# KiCad board SwanGanzInterface_V1.1.kicad_pcb
note: Ashton Knecht, Nathan DeLaRosa, Jack Son, Jerry Xia; note: Dr. Valvano
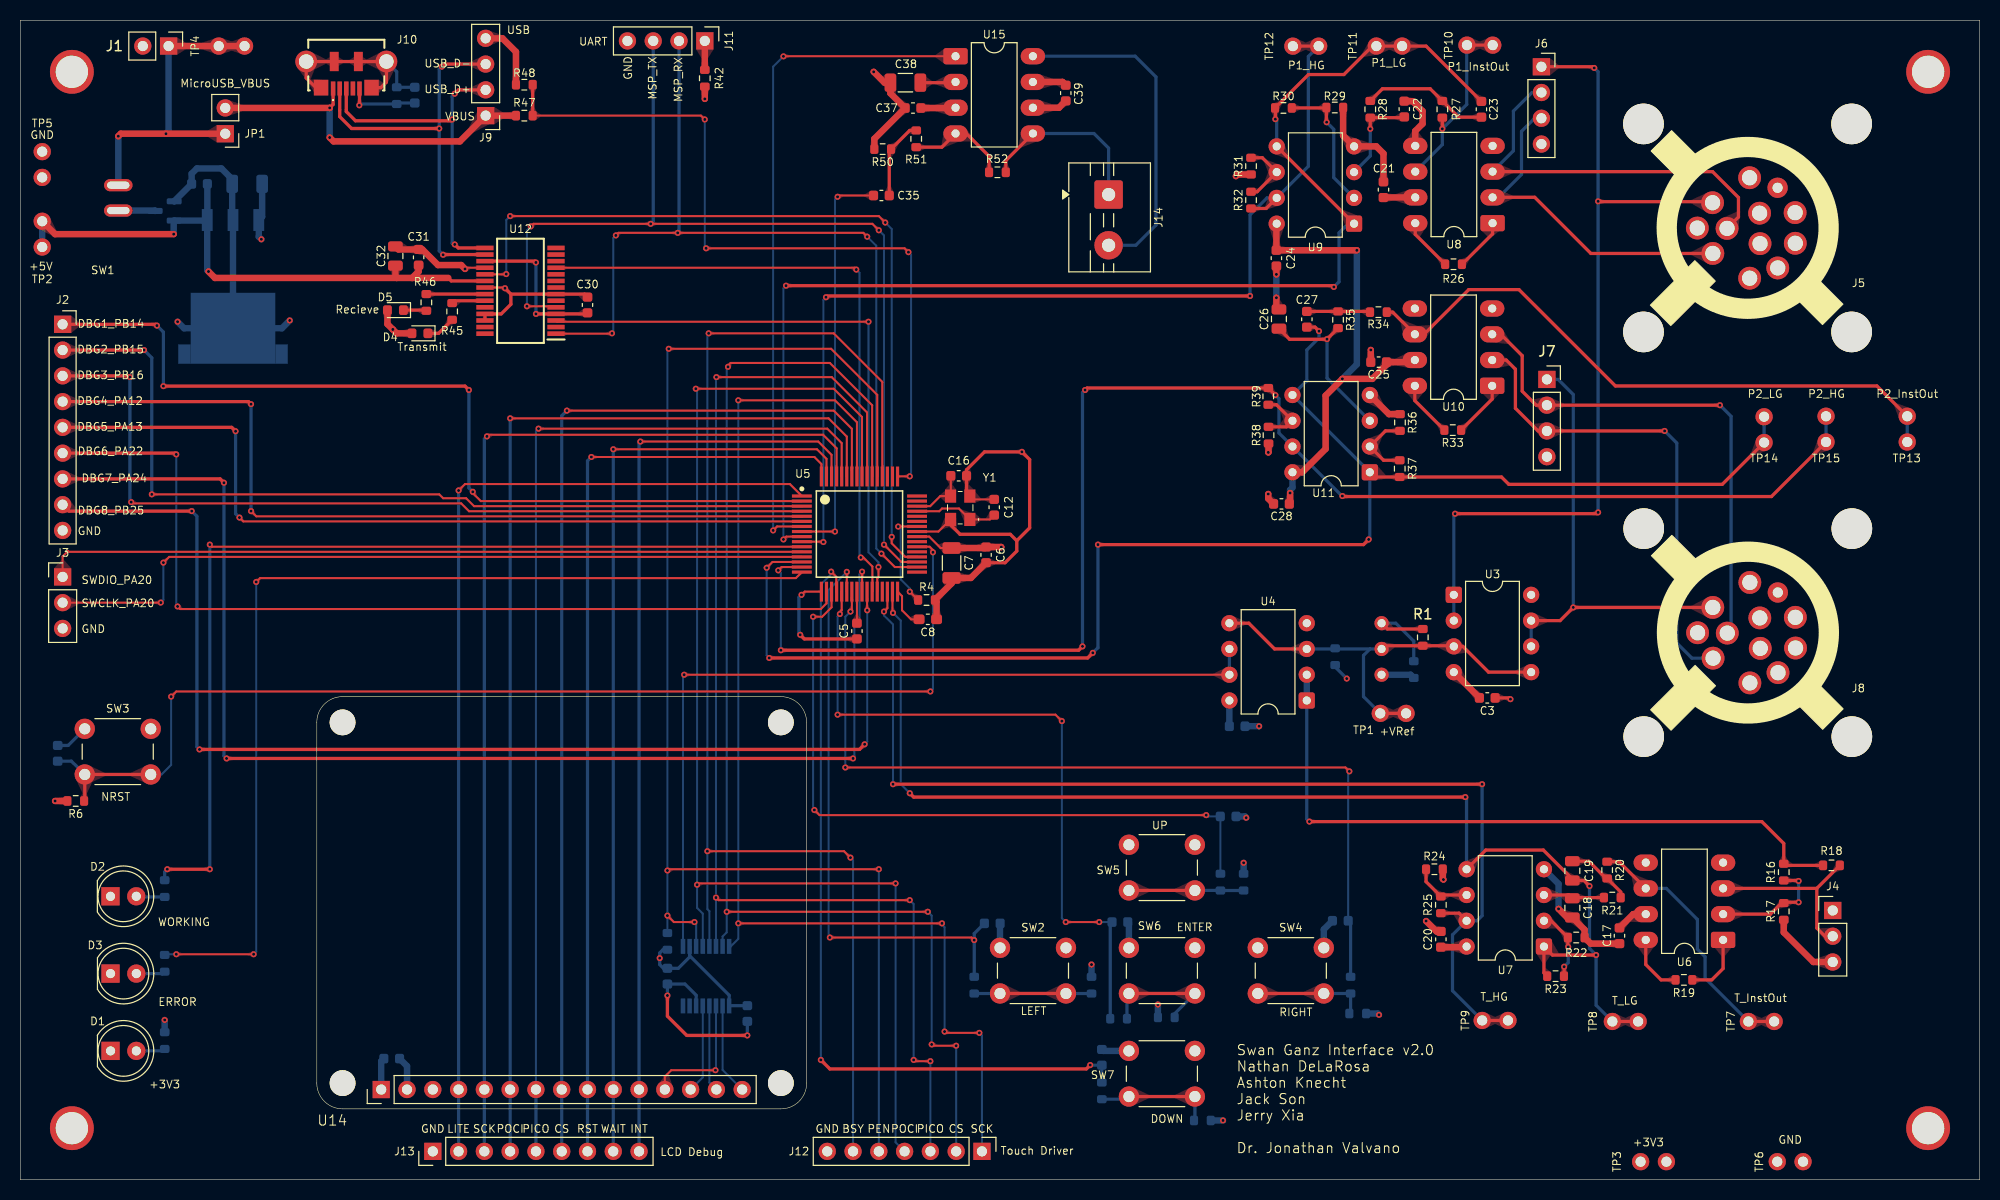
[diagram p0: board, top side]
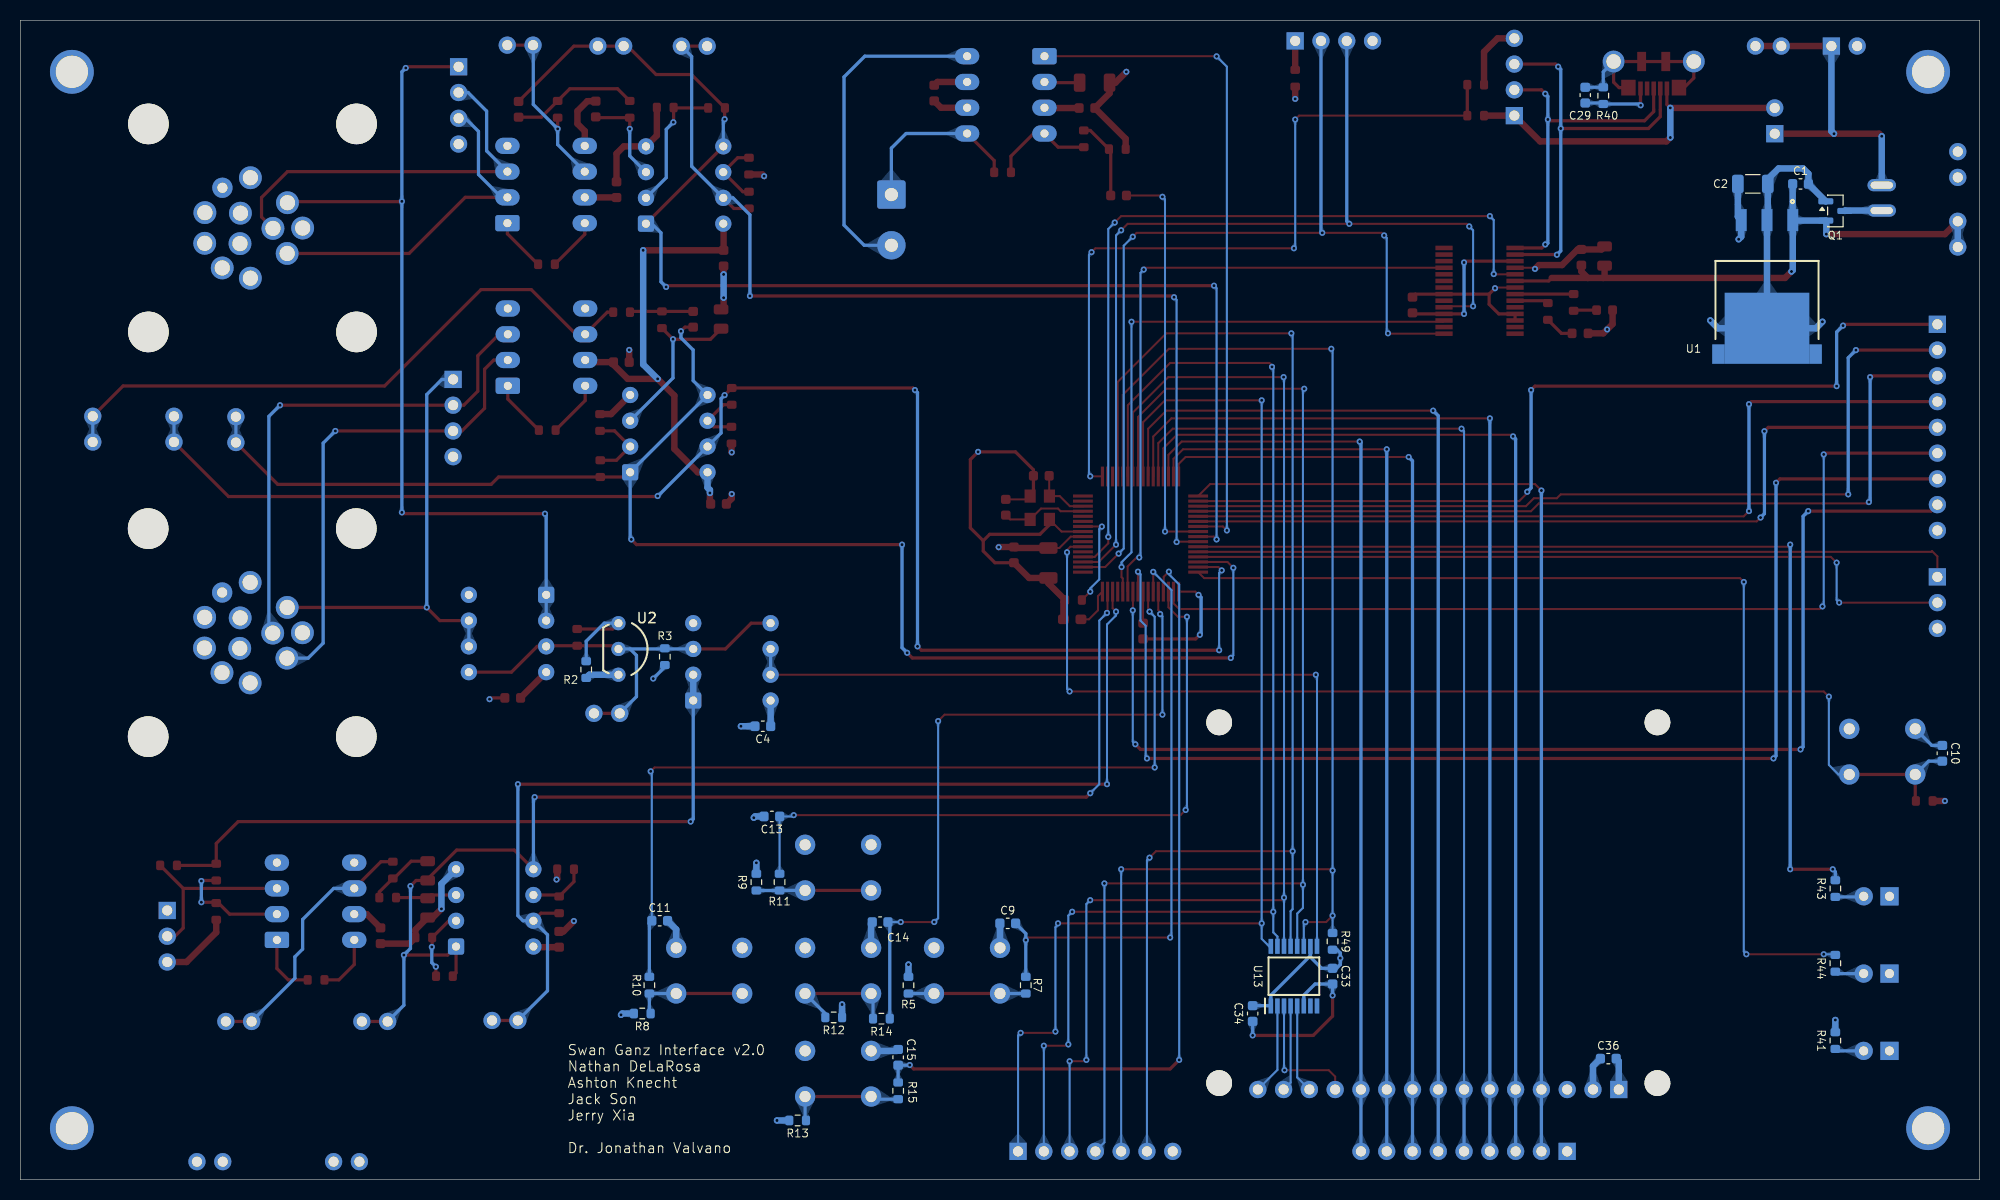
[diagram p1: board, bottom side, seen from below]

Outline 193.04 x 114.3 mm; copper layers: Top, In1.Cu, In2.Cu, Bottom. Coordinates in mm from the lower left corner of the outline.
Outline path: rectangle 0,114.3 193.04,0
Stack: Top 0.035mm / dielectric 0.1mm FR4 er 4.5 / In1.Cu 0.035mm / dielectric 1.24mm FR4 er 4.5 / In2.Cu 0.035mm / dielectric 0.1mm FR4 er 4.5 / Bottom 0.035mm

## Placement (name value [footprint] x y rotation side)
C1  0.1u  [C_0603_1608Metric]  17.65 98.17 180 bottom
C2  10u  [C_1206_3216Metric]  22.35 98.17 180 bottom
C3  0.1u  [C_0603_1608Metric]  144.53 47.5 180 top
C4  0.1u  [C_0603_1608Metric]  119.89 44.7 0 bottom
C5  1u  [C_0603_1608Metric]  82.42 54.09 90 top
C6  1u  [C_0603_1608Metric]  95.15 61.6 270 top
C7  10u  [C_1206_3216Metric]  91.75 60.8 270 top
C8  0.47u  [C_0603_1608Metric_Pad1.08x0.95mm_HandSolder]  89.41 55.24 0 top
C9  0.1u  [C_0603_1608Metric]  95.76 25.27 0 bottom
C10  0.01u  [C_0603_1608Metric]  3.68 42.04 90 bottom
C11  0.1u  [C_0603_1608Metric]  130.05 25.53 180 bottom
C12  30p  [C_0603_1608Metric]  95.95 66.29 270 top
C13  0.1u  [C_0603_1608Metric]  119 35.81 0 bottom
C14  0.1u  [C_0603_1608Metric]  108.33 25.4 0 bottom
C15  0.1u  [C_0603_1608Metric]  106.55 12.06 90 bottom
C16  30p  [C_0603_1608Metric]  92.45 69.39 180 top
C17  0.1u  [C_0603_1608Metric]  157.55 24.05 90 top
C18  0.022u  [C_0805_2012Metric]  152.91 26.8 270 top
C19  0.022u  [C_0805_2012Metric]  152.91 30.45 270 top
C20  0.1u  [C_0603_1608Metric]  139.95 23.7 90 top
C21  0.1u  [C_0603_1608Metric]  134.3 97.6 270 top
C22  0.022u  [C_0603_1608Metric]  136.35 105.55 90 top
C23  0.022u  [C_0603_1608Metric]  143.95 105.52 90 top
C24  0.1u  [C_0603_1608Metric]  123.75 90.85 270 top
C25  0.1u  [C_0603_1608Metric]  133.82 80.6 0 top
C26  0.022u  [C_0805_2012Metric]  124 84.85 90 top
C27  0.022u  [C_0603_1608Metric]  126.75 84.82 270 top
C28  0.1u  [C_0603_1608Metric]  124.25 66.62 180 top
C29  3.3n  [C_0603_1608Metric]  38.86 106.92 270 bottom
C30  0.1u  [C_0603_1608Metric]  55.88 86.23 90 top
C31  0.1u  [C_0603_1608Metric]  39.24 90.93 270 top
C32  4.7u  [C_0805_2012Metric]  36.96 91.06 270 top
C33  0.1u  [C_0603_1608Metric]  63.75 20.07 270 bottom
C34  1u  [C_0603_1608Metric]  71.63 16.38 270 bottom
C35  0.1u  [C_0603_1608Metric]  84.84 97.03 0 top
C36  0.1u  [C_0603_1608Metric]  36.59 11.94 0 bottom
C37  1u  [C_0603_1608Metric]  87.95 105.65 0 top
C38  5u  [C_1206_3216Metric]  87.2 108.15 0 top
C39  0.1u  [C_0603_1608Metric]  103 107.12 90 top
D1  +3V3  [LED_D5.0mm]  8.89 12.7 0 top
D2  WORKING  [LED_D5.0mm]  8.88 27.94 0 top
D3  ERROR  [LED_D5.0mm]  8.89 20.32 0 top
D4  APHD1608LCGCK  [D_0603_1608Metric]  39.37 83.44 180 top
D5  APHD1608LSYCK  [D_0603_1608Metric]  36.96 85.72 180 top
H1  ~  [MountingHole_4_40]  5.08 109.22 0 top
H2  ~  [MountingHole_4_40]  187.96 109.22 0 top
H3  ~  [MountingHole_4_40]  5.08 5.08 0 top
H4  ~  [MountingHole_4_40]  187.96 5.08 0 top
J1  Conn_01x02_Pin  [PinHeader_1x02_P2.54mm_Vertical#2]  14.61 111.76 270 top
J2  Conn_01x09_Pin  [PinSocket_1x09_P2.54mm_Vertical]  4.17 84.33 0 top
J3  Conn_01x03_Pin  [PinHeader_1x03_P2.54mm_Vertical]  4.17 59.43 0 top
J4  Conn_01x03_Pin  [PinHeader_1x03_P2.54mm_Vertical]  178.56 26.54 0 top
J5  ~  [Pressure_Connector_1.1]  170.17 93.83 180 top
J6  Conn_01x04_Pin  [PinSocket_1x04_P2.54mm_Vertical]  149.86 109.72 0 top
J7  Conn_01x04_Pin  [PinSocket_1x04_P2.54mm_Vertical]  150.4 78.89 0 top
J8  ~  [Pressure_Connector_1.1]  170.19 53.93 180 top
J9  Conn_01x04_Pin  [PinHeader_1x04_P2.54mm_Vertical]  45.85 104.9 180 top
J10  -  [1051640001]  32.12 109.64 0 top
J11  Conn_01x04_Pin  [PinHeader_1x04_P2.54mm_Vertical]  67.44 112.27 270 top
J12  Conn_01x07_Pin  [PinHeader_1x07_P2.54mm_Vertical]  94.74 2.79 270 top
J13  Conn_01x09_Pin  [PinHeader_1x09_P2.54mm_Vertical]  40.64 2.79 90 top
J14  SPKM.28.8.A  [TerminalBlock_MaiXu_MX126-5.0-02P_1x02_P5.00mm]  107.22 97.12 270 top
JP1  MicroUSB_VBUS  [PinHeader_1x02_P2.54mm_Vertical]  20.19 103.12 180 top
Q1  SQ2389CES-T1_GE3  [SOT-23]  14.22 95.5 180 bottom
R1  47k  [R_0603_1608Metric]  138.18 53.47 90 top
R2  10k  [R_0603_1608Metric]  137.29 50.29 270 bottom
R3  1k  [R_0603_1608Metric]  129.54 51.56 90 bottom
R4  100k  [R_0603_1608Metric]  89.28 57.15 180 top
R5  100k  [R_0603_1608Metric]  105.54 19.18 270 bottom
R6  47k  [R_0603_1608Metric]  5.46 37.34 0 top
R7  100R  [R_0603_1608Metric]  93.98 19.18 90 bottom
R8  100k  [R_0603_1608Metric]  131.76 16.38 180 bottom
R9  100k  [R_0603_1608Metric]  120.52 29.34 270 bottom
R10  100R  [R_0603_1608Metric]  131.06 19.18 90 bottom
R11  100R  [R_0603_1608Metric]  118.24 29.34 90 bottom
R12  100k  [R_0603_1608Metric]  112.9 16 0 bottom
R13  100k  [R_0603_1608Metric]  116.46 5.84 180 bottom
R14  100R  [R_0603_1608Metric]  108.2 15.87 180 bottom
R15  100R  [R_0603_1608Metric]  106.55 8.76 90 bottom
R16  100k  [R_0603_1608Metric]  173.74 30.32 270 top
R17  27k  [R_0603_1608Metric]  173.74 26.45 270 top
R18  100k  [R_0603_1608Metric]  178.44 30.99 0 top
R19  27k  [R_0603_1608Metric]  163.9 19.7 180 top
R20  100k  [R_0603_1608Metric]  156.34 30.52 270 top
R21  100k  [R_0603_1608Metric]  156.84 27.81 180 top
R22  10k  [R_0603_1608Metric]  153.29 23.88 180 top  (not fitted)
R23  10k  [R_0603_1608Metric]  151.26 20.07 180 top
R24  10k  [R_0603_1608Metric]  139.32 30.61 180 top
R25  8.2k  [R_0603_1608Metric]  139.95 27.1 270 top
R26  200R  [R_0603_1608Metric]  141.2 90.25 180 top
R27  100k  [R_0603_1608Metric]  140.1 105.52 90 top
R28  100k  [R_0603_1608Metric]  133 105.52 270 top
R29  10k  [R_0603_1608Metric]  129.5 105.7 180 top
R30  10k  [R_0603_1608Metric]  124.44 105.66 180 top
R31  10k  [R_0603_1608Metric]  121.25 99.92 90 top
R32  17k5  [R_0603_1608Metric]  121.25 96.57 270 top
R33  200R  [R_0603_1608Metric]  141.12 73.9 180 top
R34  100k  [R_0603_1608Metric]  133.8 85.52 180 top
R35  100k  [R_0603_1608Metric]  129.82 84.77 270 top
R36  10k  [R_0603_1608Metric]  135.92 74.65 270 top
R37  10k  [R_0603_1608Metric]  135.9 70.1 270 top
R38  10k  [R_0603_1608Metric]  122.97 73.4 90 top
R39  17k5  [R_0603_1608Metric]  122.95 77.22 90 top
R40  1M  [R_0603_1608Metric]  37.08 106.87 270 bottom
R41  2k  [R_0603_1608Metric]  14.22 13.72 270 bottom
R42  0  [R_0603_1608Metric]  67.44 108.58 270 top
R43  2k  [R_0603_1608Metric]  14.22 28.7 270 bottom
R44  2k  [R_0603_1608Metric]  14.22 21.34 270 bottom
R45  750R  [R_0603_1608Metric]  42.54 85.6 270 top
R46  750R  [R_0603_1608Metric]  40.01 86.49 270 top
R47  10k  [R_0603_1608Metric]  49.66 104.9 0 top
R48  19.1k  [R_0603_1608Metric]  49.66 107.95 0 top
R49  100k  [R_0603_1608Metric]  63.75 23.49 270 bottom
R50  10k  [R_0603_1608Metric]  84.96 101.6 180 top  (not fitted)
R51  16.6k  [R_0603_1608Metric]  88.27 102.62 270 top
R52  10k  [R_0603_1608Metric]  96.27 99.31 0 top
SW1  Power_Switch  [SW-T3-1A-A-A3-S1]  9.65 95.54 270 top
SW2  LEFT  [SW_PUSH_6mm]  96.52 22.86 0 top
SW3  NRST  [SW_PUSH_6mm]  6.35 44.45 0 top
SW4  RIGHT  [SW_PUSH_6mm]  121.92 22.86 0 top
SW5  UP  [SW_PUSH_6mm]  109.22 33.02 0 top
SW6  ENTER  [SW_PUSH_6mm]  109.22 22.86 0 top
SW7  DOWN  [SW_PUSH_6mm]  109.22 12.7 0 top
TP1  +VRef  [Testpoint_1x02_P2.54mm]  133.98 45.97 90 top
TP2  +5V  [Testpoint_1x02_P2.54mm]  2.16 91.95 180 top
TP3  +3V3  [Testpoint_1x02_P2.54mm]  159.63 1.78 90 top
TP4  +VBUS  [Testpoint_1x02_P2.54mm]  19.55 111.76 90 top
TP5  GND  [Testpoint_1x02_P2.54mm]  2.16 101.35 0 top
TP6  GND  [Testpoint_1x02_P2.54mm]  173.1 1.78 90 top
TP7  T_InstOut  [Testpoint_1x02_P2.54mm]  170.25 15.6 90 top
TP8  T_LG  [Testpoint_1x02_P2.54mm]  156.85 15.6 90 top
TP9  T_HG  [Testpoint_1x02_P2.54mm]  144.03 15.7 90 top
TP10  P1_InstOut  [Testpoint_1x02_P2.54mm]  142.53 111.85 90 top
TP11  P1_LG  [Testpoint_1x02_P2.54mm]  133.6 111.76 90 top
TP12  P1_HG  [Testpoint_1x02_P2.54mm]  125.38 111.75 90 top
TP13  P2_InstOut  [Testpoint_1x02_P2.54mm]  185.9 72.72 180 top
TP14  P2_LG  [Testpoint_1x02_P2.54mm]  171.8 72.67 180 top
TP15  P2_HG  [Testpoint_1x02_P2.54mm]  177.9 72.72 180 top
U1  -  [LM2937ESX-3.3_NOPB]  20.95 81.94 90 bottom
U2  LM4041CILPR  [ti_LM4041CILPR]  134.11 52.32 270 bottom
U3  OPA2350  [DIP-8_W7.62mm]  141.23 57.66 0 top
U4  OPA2350  [DIP-8_W7.62mm]  126.74 47.24 180 top
U5  XM0G3507QPMRQ1  [PM0064A-IPC_A]  82.68 63.65 0 top
U6  INA122P  [DIP-8_W7.62mm_LongPads]  167.76 23.64 180 top
U7  OPA2350  [DIP-8_W7.62mm]  150.11 22.99 180 top
U8  INA122P  [DIP-8_W7.62mm_LongPads]  145.05 94.3 180 top
U9  OPA2350  [DIP-8_W7.62mm]  131.4 94.25 180 top
U10  INA122P  [DIP-8_W7.62mm_LongPads]  145.01 78.26 180 top
U11  OPA2350  [DIP-8_W7.62mm]  132.95 69.74 180 top
U12  FT232RNL  [FT232RL]  49.28 87.63 180 top
U13  TSC2046IPWR  [SOP65P640X120-16N]  67.56 20.07 90 bottom
U14  -  [AdaFruit_1590]  35.56 8.89 90 top
U15  MCP34119P  [DIP-8_W7.62mm_LongPads]  92.14 110.76 0 top
Y1  ABM8AIG-40.000MHZ-12-2Z-T3  [ABM8AIG25000MHZ122ZT3]  92.6 66.24 90 top

## Library data of the parts
C1-C39 = -: Description: Unpolarized capacitor; ki_fp_filters: C_*
D1-D3 = -: Datasheet: https://users.ece.utexas.edu/~valvano/mspm0/HLMP-4700.pdf; Description: Light emitting diode; ki_fp_filters: LED* LED_SMD:* LED_THT:*
D4 = -: Datasheet: kicad-embed://APHD1608LCGCK.pdf; Description: Light emitting diode; Color: Green; Forward Voltage: 1.9V; Forward Current: 2ma; ki_fp_filters: LED* LED_SMD:* LED_THT:*
D5 = -: Datasheet: kicad-embed://APHD1608LSYCK.pdf; Description: Light emitting diode; Color: Yellow; Forward Voltage: 1.85V; Forward Current: 2ma; ki_fp_filters: LED* LED_SMD:* LED_THT:*
H1-H4 = -: Description: Drill hole for 4-40 screw
J1 = -: Description: Generic connector, single row, 01x02, script generated; ki_fp_filters: Connector*:*_1x??_*
J2 J13 = -: Description: Generic connector, single row, 01x09, script generated; ki_fp_filters: Connector*:*_1x??_*
J3 J4 = -: Description: Generic connector, single row, 01x03, script generated; ki_fp_filters: Connector*:*_1x??_*
J6 J7 J9 J11 = -: Description: Generic connector, single row, 01x04, script generated; ki_fp_filters: Connector*:*_1x??_*
J10 = -: Datasheet: https://www.molex.com/en-us/products/part-detail-pdf/1051640001?display=pdf; Description: Micro-USB B Receptacle without Flange, Top Mount, Surface Mount, Lead-Free; Height: 2.7; Manufacturer_Name: Molex; Mouser Part Number: N/A; Mouser Price/Stock: https://www.mouser.com/Search/Refine.aspx?Keyword=N%2FA; Arrow Price/Stock: https://www.arrow.com/en/products/105164-0001/molex?utm_currency=USD&region=nac
J12 = -: Description: Generic connector, single row, 01x07, script generated; ki_fp_filters: Connector*:*_1x??_*
J14 = -: Datasheet: kicad-embed://SPKM.28.8.A.pdf
JP1 = -: Description: Jumper, 2-pole, small symbol, bridged; ki_fp_filters: Jumper* TestPoint*2Pads* TestPoint*Bridge*
Q1 = -: Datasheet: kicad-embed://sq2389ces.pdf; Description: -0.18A Id, -60V Vds, P-Channel MOSFET, SOT-23; ki_fp_filters: SOT?23*
R1-R52 = -: Description: Resistor; ki_fp_filters: R_*
SW1 = -: Description: Single Pole Single Throw (SPST) switch
SW2-SW7 = -: Description: Push button switch, generic, two pins
TP1-TP15 = -: Description: Testpoint; ki_fp_filters: Jumper* TestPoint*2Pads* TestPoint*Bridge*
U1 = -: Datasheet: https://datasheet.datasheetarchive.com/originals/distributors/Datasheets-SFU2/DSASFU100036522.pdf; Description: 400mA and 500mA Voltage Regulator; Manufacturer_Name: Texas Instruments; Manufacturer_Part_Number: LM2937ESX-3.3/NOPB; Mouser Part Number: 926-LM2937ESX33NOPB; Mouser Price/Stock: https://www.mouser.co.uk/ProductDetail/Texas-Instruments/LM2937ESX-3.3-NOPB?qs=X1J7HmVL2ZHznchIZbt4Ug%3D%3D; Arrow Part Number: LM2937ESX-3.3/NOPB; Arrow Price/Stock: https://www.arrow.com/en/products/lm2937esx-3.3nopb/texas-instruments?region=nac
U2 = -: Datasheet: kicad-embed://lm4041c.pdf; Distributor: Mouser; Manufacturer: Texas Instruments
U3 U4 U7 U9 U11 = -: Datasheet: kicad-embed://OPAx350.pdf; Description: Precision, 38-MHz, Low-Noise, Low-Power, RRIO, CMOS Operational Amplifier, DIP-8; ki_fp_filters: SOIC*3.9x4.9mm*P1.27mm*
U5 = -: Datasheet: https://www.ti.com/lit/gpn/mspm0g3507-q1; ki_fp_filters: PM0064A-IPC_A PM0064A-IPC_B PM0064A-IPC_C PM0064A-MFG
U6 U8 U10 = -: Datasheet: kicad-embed://ina122.pdf; Description: Instrumentation Amp
U12 = -: Datasheet: http://www.ftdichip.com/Support/Documents/DataSheets/ICs/DS_FT232RN.pdf; Description: USB to serial TTL level UART FT232RL FT232RL, Universal Asynchronous Receiver & Transmitter 3MBd, 28-Pin, SSOP; Height: 2; Manufacturer_Name: FTDI Chip; Arrow Price/Stock: https://www.arrow.com/en/products/ft232rl/ftdi-chip?region=nac
U13 = -: Datasheet: http://www.ti.com/lit/gpn/tsc2046; Description: 4-Wire Touch Screen Controller with low voltage digital I/O; Height: 1.2; Manufacturer_Name: Texas Instruments; Mouser Part Number: 595-TSC2046IPWR; Mouser Price/Stock: https://www.mouser.co.uk/ProductDetail/Texas-Instruments/TSC2046IPWR?qs=0O%2FZFlpUpJUcSjA9obIPQQ%3D%3D; Arrow Price/Stock: https://www.arrow.com/en/products/tsc2046ipwr/texas-instruments?utm_currency=USD&region=nac
U15 = -: Datasheet: https://users.ece.utexas.edu/~valvano/Datasheets/MC34119.pdf; Distributor: N/A; Manufacturer: Motorola; P/N: MC34119P
Y1 = -: Datasheet: https://abracon.com/AIGcrystals/ABM8AIG.pdf; Description: 40 MHz +/-20ppm Crystal 12pF 35 Ohms 4-SMD, No Lead; Height: 0.8; Manufacturer_Name: ABRACON; Mouser Part Number: 815-M8AIG-40-12-2ZT3; Mouser Price/Stock: https://www.mouser.co.uk/ProductDetail/ABRACON/ABM8AIG-40.000MHZ-12-2Z-T3?qs=gG6m684uYP5IiAMGB0aeYg%3D%3D

## Footprints (pads in the part's own frame, mm; a bottom-side part is the same pattern mirrored in y, then rotated)
1051640001
  rect 0.45x1.38 smd: 1(-1.3,-2.06) 2(-0.65,-2.06) 3(0,-2.06) 4(0.65,-2.06) 5(1.3,-2.06)
  round 2.145 hole 1.43: MH1(-3.95,0.6) MH2(3.95,0.6)
  rect 1.425x1.55 smd: MP1(-2.487,-1.975) MP2(2.487,-1.975)
  rect 0.875x1.9 smd: MP3(1.188,0.6) MP4(-1.188,0.6)
ABM8AIG25000MHZ122ZT3
  rect 1.3x1.1 smd: 1(-1.15,-0.95) 2(1.15,-0.95) 3(1.15,0.95) 4(-1.15,0.95)
AdaFruit_1590
  round 2.565 hole 2.54 unplated: (0.635,3.81) (0.635,-39.37) (36.195,3.81) (36.195,-39.37)
  rect 1.7x1.7 hole 1: 1(0,0)
  round 1.7 hole 1: 2(0,-2.54) 3(0,-5.08) 4(0,-7.62) 5(0,-10.16) 6(0,-12.7) 7(0,-15.24) 8(0,-17.78) 9(0,-20.32) 10(0,-22.86) 11(0,-25.4) 12(0,-27.94) 13(0,-30.48) 14(0,-33.02) 15(0,-35.56)
C_0603_1608Metric
  rrect 0.9x0.95 smd: 1(-0.775,0) 2(0.775,0)
C_0603_1608Metric_Pad1.08x0.95mm_HandSolder
  rrect 1.075x0.95 smd: 1(-0.863,0) 2(0.863,0)
C_0805_2012Metric
  rrect 1x1.45 smd: 1(-0.95,0) 2(0.95,0)
C_1206_3216Metric
  rrect 1.15x1.8 smd: 1(-1.475,0) 2(1.475,0)
D_0603_1608Metric
  rrect 0.875x0.95 smd: 1(-0.787,0) 2(0.787,0)
DIP-8_W7.62mm
  rrect 1.6x1.6 hole 0.8: 1(0,0)
  round 1.6 hole 0.8: 2(0,-2.54) 3(0,-5.08) 4(0,-7.62) 5(7.62,-7.62) 6(7.62,-5.08) 7(7.62,-2.54) 8(7.62,0)
DIP-8_W7.62mm_LongPads
  rrect 2.4x1.6 hole 0.8: 1(0,0)
  oval 2.4x1.6 hole 0.8: 2(0,-2.54) 3(0,-5.08) 4(0,-7.62) 5(7.62,-7.62) 6(7.62,-5.08) 7(7.62,-2.54) 8(7.62,0)
FT232RL
  rect 1.7x0.45 smd: 1(-3.5,4.225) 2(-3.5,3.575) 3(-3.5,2.925) 4(-3.5,2.275) 5(-3.5,1.625) 6(-3.5,0.975) 7(-3.5,0.325) 8(-3.5,-0.325) 9(-3.5,-0.975) 10(-3.5,-1.625) 11(-3.5,-2.275) 12(-3.5,-2.925) 13(-3.5,-3.575) 14(-3.5,-4.225) 15(3.5,-4.225) 16(3.5,-3.575) 17(3.5,-2.925) 18(3.5,-2.275) 19(3.5,-1.625) 20(3.5,-0.975) 21(3.5,-0.325) 22(3.5,0.325) 23(3.5,0.975) 24(3.5,1.625) 25(3.5,2.275) 26(3.5,2.925) 27(3.5,3.575) 28(3.5,4.225)
LED_D5.0mm
  rect 1.8x1.8 hole 0.9: 1(0,0)
  round 1.8 hole 0.9: 2(2.54,0)
LM2937ESX-3.3_NOPB
  rect 2.16x1.07 smd: 1(12.67,-2.54) 2(12.67,0) 3(12.67,2.54)
  rect 1.91x1.235 smd: 4(-0.545,-4.782) 4(-0.545,4.782)
  rect 7x8.33 smd: 4(2,0)
MountingHole_4_40
  round 4.318 hole 3.175: 1(0,0)
PinHeader_1x02_P2.54mm_Vertical
  rect 1.7x1.7 hole 1: 1(0,0)
  oval 1.7x1.7 hole 1: 2(0,-2.54)
PinHeader_1x02_P2.54mm_Vertical#2
  rect 1.7x1.7 hole 1: 1(0,0)
  round 1.7 hole 1: 2(0,-2.54)
PinHeader_1x03_P2.54mm_Vertical
  rect 1.7x1.7 hole 1: 1(0,0)
  round 1.7 hole 1: 2(0,-2.54) 3(0,-5.08)
PinHeader_1x04_P2.54mm_Vertical
  rect 1.7x1.7 hole 1: 1(0,0)
  round 1.7 hole 1: 2(0,-2.54) 3(0,-5.08) 4(0,-7.62)
PinHeader_1x07_P2.54mm_Vertical
  rect 1.7x1.7 hole 1: 1(0,0)
  round 1.7 hole 1: 2(0,-2.54) 3(0,-5.08) 4(0,-7.62) 5(0,-10.16) 6(0,-12.7) 7(0,-15.24)
PinHeader_1x09_P2.54mm_Vertical
  rect 1.7x1.7 hole 1: 1(0,0)
  round 1.7 hole 1: 2(0,-2.54) 3(0,-5.08) 4(0,-7.62) 5(0,-10.16) 6(0,-12.7) 7(0,-15.24) 8(0,-17.78) 9(0,-20.32)
PinSocket_1x04_P2.54mm_Vertical
  rect 1.7x1.7 hole 1: 1(0,0)
  round 1.7 hole 1: 2(0,-2.54) 3(0,-5.08) 4(0,-7.62)
PinSocket_1x09_P2.54mm_Vertical
  rect 1.7x1.7 hole 1: 1(0,0)
  round 1.7 hole 1: 2(0,-2.54) 3(0,-5.08) 4(0,-7.62) 5(0,-10.16) 6(0,-12.7) 7(0,-15.24) 8(0,-17.78) 9(0,-20.32)
PM0064A-IPC_A
  rect 1.955x0.312 smd: 1(-5.675,3.75) 2(-5.675,3.25) 3(-5.675,2.75) 4(-5.675,2.25) 5(-5.675,1.75) 6(-5.675,1.25) 7(-5.675,0.75) 8(-5.675,0.25) 9(-5.675,-0.25) 10(-5.675,-0.75) 11(-5.675,-1.25) 12(-5.675,-1.75) 13(-5.675,-2.25) 14(-5.675,-2.75) 15(-5.675,-3.25) 16(-5.675,-3.75) 33(5.675,-3.75) 34(5.675,-3.25) 35(5.675,-2.75) 36(5.675,-2.25) 37(5.675,-1.75) 38(5.675,-1.25) 39(5.675,-0.75) 40(5.675,-0.25) 41(5.675,0.25) 42(5.675,0.75) 43(5.675,1.25) 44(5.675,1.75) 45(5.675,2.25) 46(5.675,2.75) 47(5.675,3.25) 48(5.675,3.75)
  rect 0.312x1.955 smd: 17(-3.75,-5.675) 18(-3.25,-5.675) 19(-2.75,-5.675) 20(-2.25,-5.675) 21(-1.75,-5.675) 22(-1.25,-5.675) 23(-0.75,-5.675) 24(-0.25,-5.675) 25(0.25,-5.675) 26(0.75,-5.675) 27(1.25,-5.675) 28(1.75,-5.675) 29(2.25,-5.675) 30(2.75,-5.675) 31(3.25,-5.675) 32(3.75,-5.675) 49(3.75,5.675) 50(3.25,5.675) 51(2.75,5.675) 52(2.25,5.675) 53(1.75,5.675) 54(1.25,5.675) 55(0.75,5.675) 56(0.25,5.675) 57(-0.25,5.675) 58(-0.75,5.675) 59(-1.25,5.675) 60(-1.75,5.675) 61(-2.25,5.675) 62(-2.75,5.675) 63(-3.25,5.675) 64(-3.75,5.675)
Pressure_Connector_1.1
  round 5 hole 4 unplated: (-10.253,10.253) (-10.253,-10.253) (10.253,10.253) (10.253,-10.253)
  round 2.25 hole 1.5: 1(3.447,-2.485) 2(2.018,0.048) 3(3.418,2.517) 4(4.946,0.012) 5(-0.204,-4.948) 6(-1.187,-1.452) 7(-1.229,1.549) 8(-0.208,4.957) 10(-4.687,-1.509) 11(-4.705,1.517) 12(-2.979,3.946)
  round 2 hole 1: 9(-2.961,-3.957)
R_0603_1608Metric
  rrect 0.8x0.95 smd: 1(-0.825,0) 2(0.825,0)
SOP65P640X120-16N
  rect 1.475x0.45 smd: 1(-2.938,2.275) 2(-2.938,1.625) 3(-2.938,0.975) 4(-2.938,0.325) 5(-2.938,-0.325) 6(-2.938,-0.975) 7(-2.938,-1.625) 8(-2.938,-2.275) 9(2.938,-2.275) 10(2.938,-1.625) 11(2.938,-0.975) 12(2.938,-0.325) 13(2.938,0.325) 14(2.938,0.975) 15(2.938,1.625) 16(2.938,2.275)
SOT-23
  rrect 1.475x0.6 smd: 1(-0.938,0.95) 2(-0.938,-0.95) 3(0.938,0)
SW-T3-1A-A-A3-S1
  oval 1.2x2.8 hole 0.7x2.2: 1(-2.5,0) 2(0,0)
SW_PUSH_6mm
  round 2 hole 1.1: 1(0,0) 1(6.5,0) 2(0,-4.5) 2(6.5,-4.5)
TerminalBlock_MaiXu_MX126-5.0-02P_1x02_P5.00mm
  rrect 2.8x2.8 hole 1.3: 1(0,0)
  round 2.8 hole 1.3: 2(5,0)
Testpoint_1x02_P2.54mm
  round 1.7 hole 1: 1(0,0)
  oval 1.7x1.7 hole 1: 2(0,-2.54)
ti_LM4041CILPR
  round 1.4 hole 0.8: 1(-2.54,0) 2(0,0) 3(2.54,0)
